# Altium PCB UM-64NNP-V1 rev 0.18.PcbDoc (part 1 of 5)
Units mil, origin at the board's own origin, x right, y up, seen from the top; angles counter-clockwise.
Board outline 3401.4 x 1878.03 mil, 6 copper layers (L1, L2, L3, L4, L5, L6), stack 20.4 mil thick; 336 components, 172 nets, 991 pads, 1862 vias.
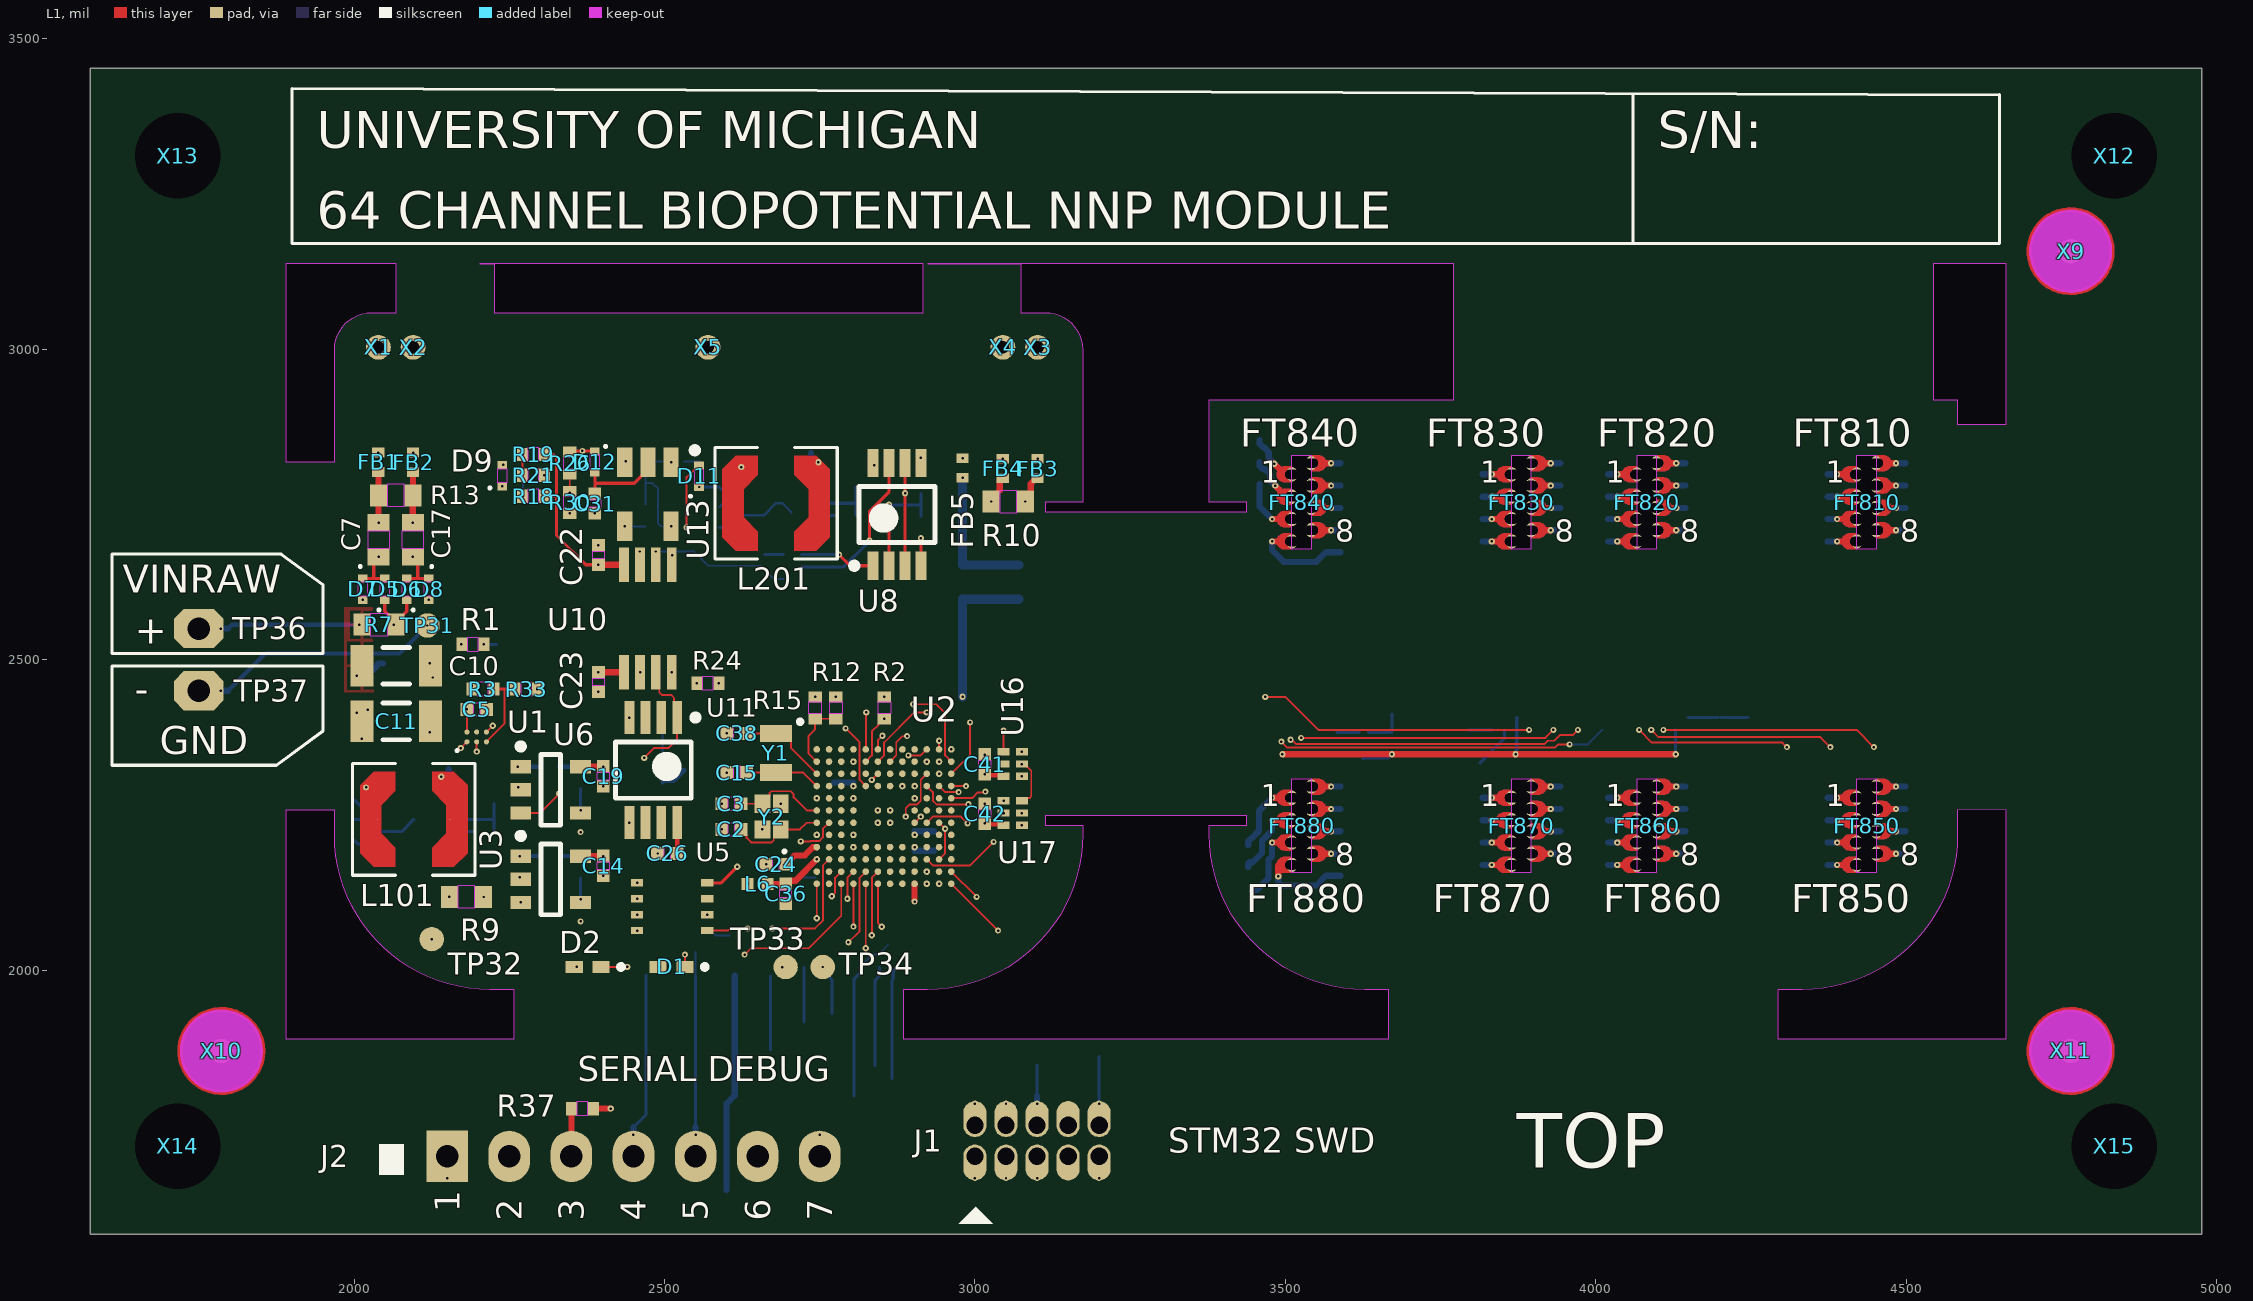
[diagram p0: L1 view]
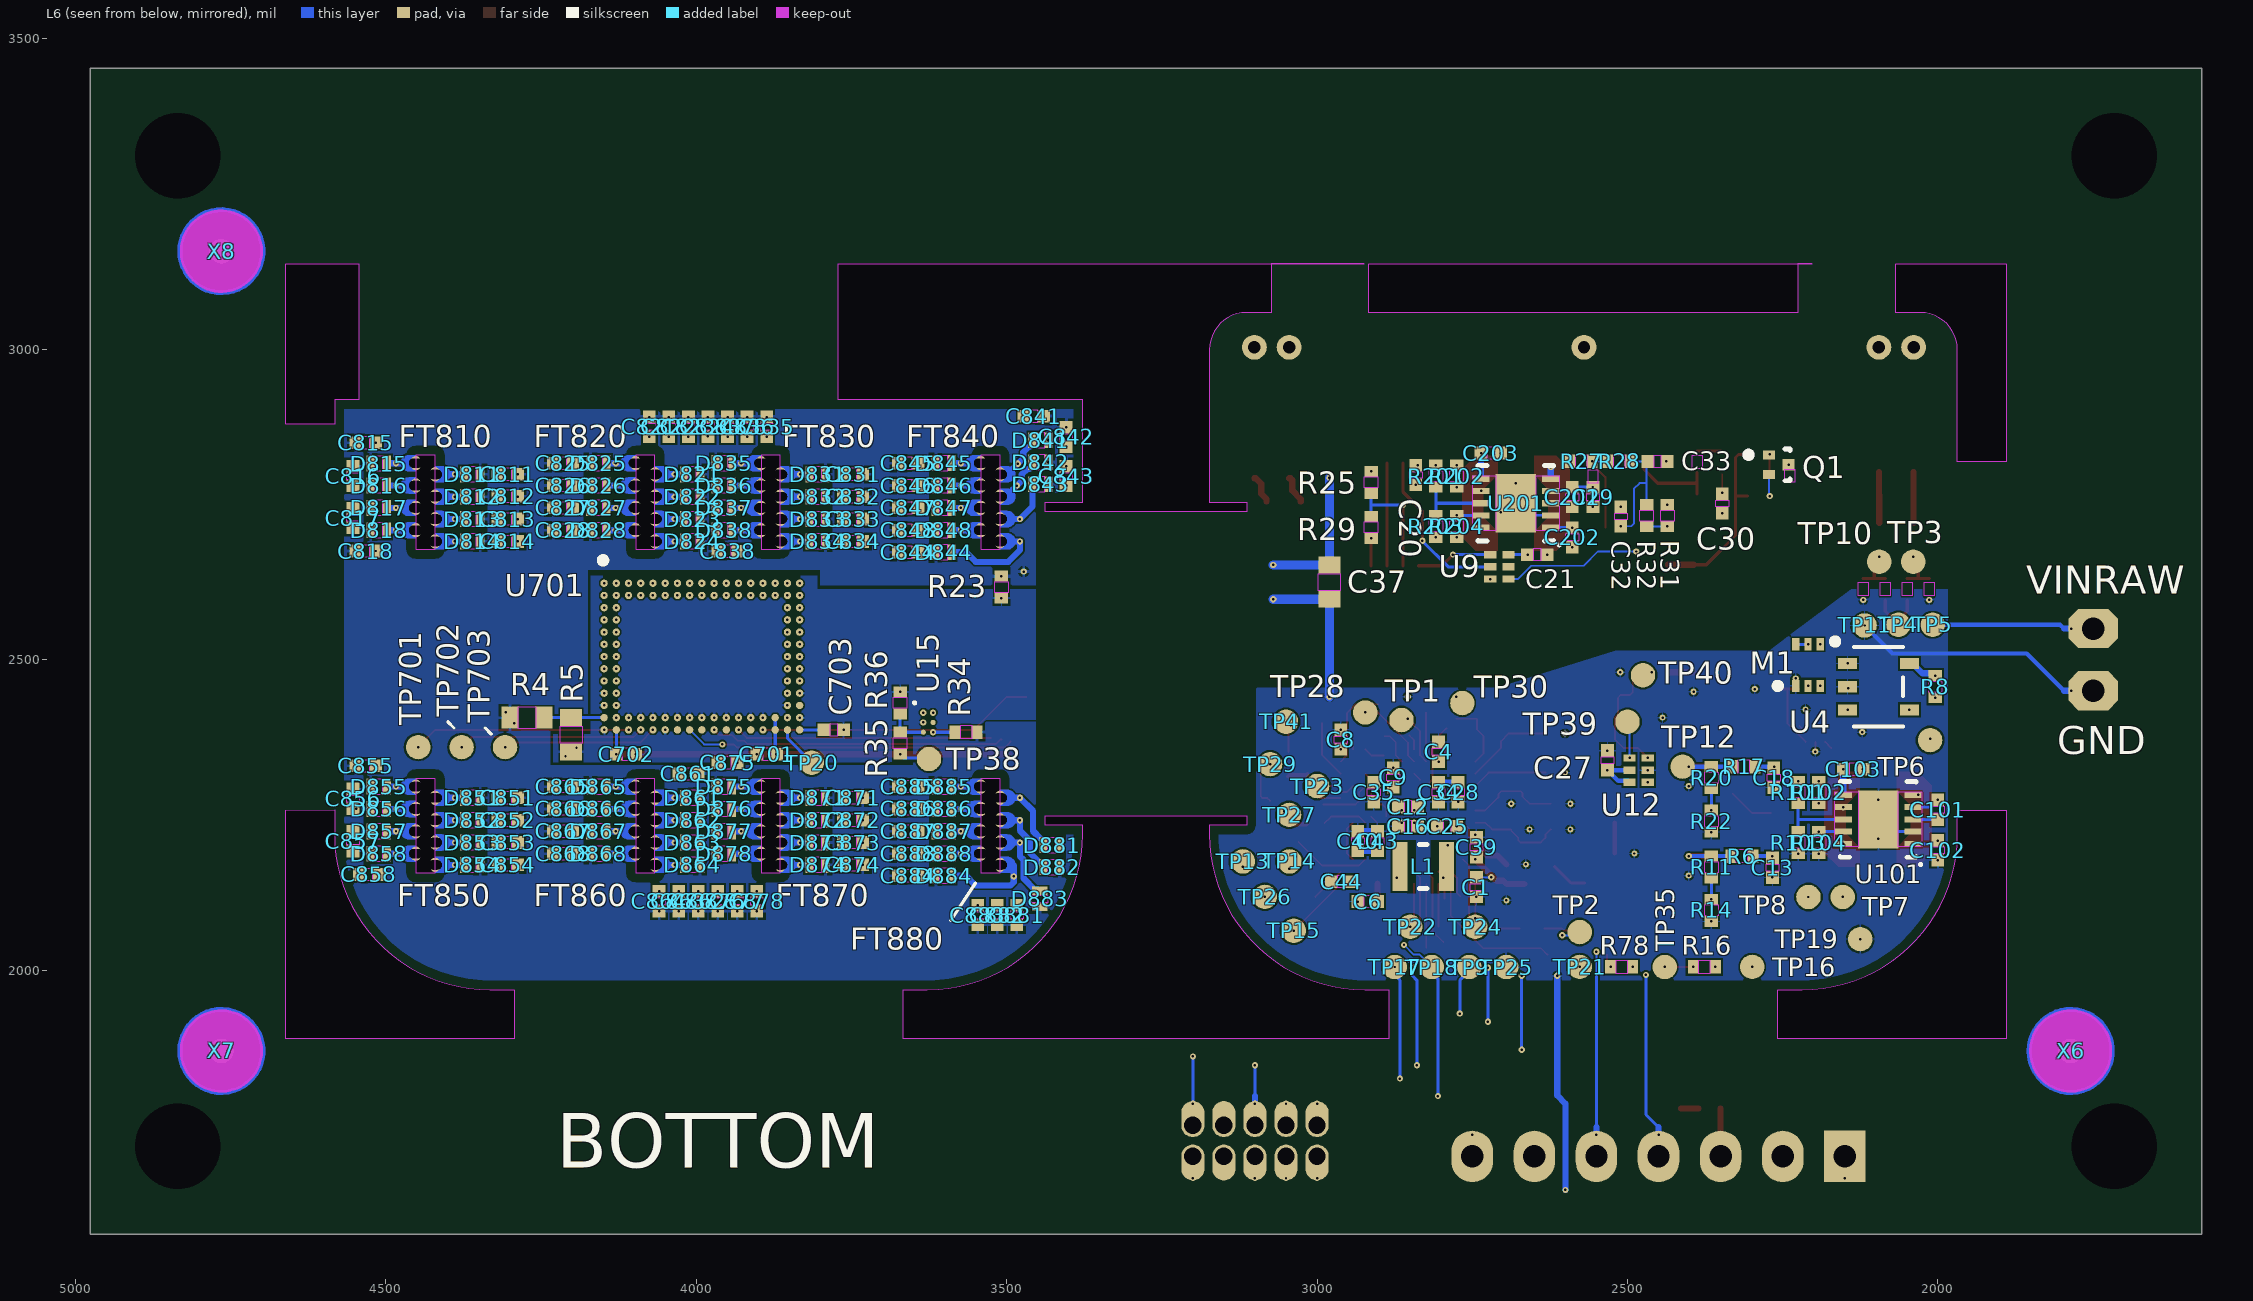
[diagram p1: L6 view, seen from below]
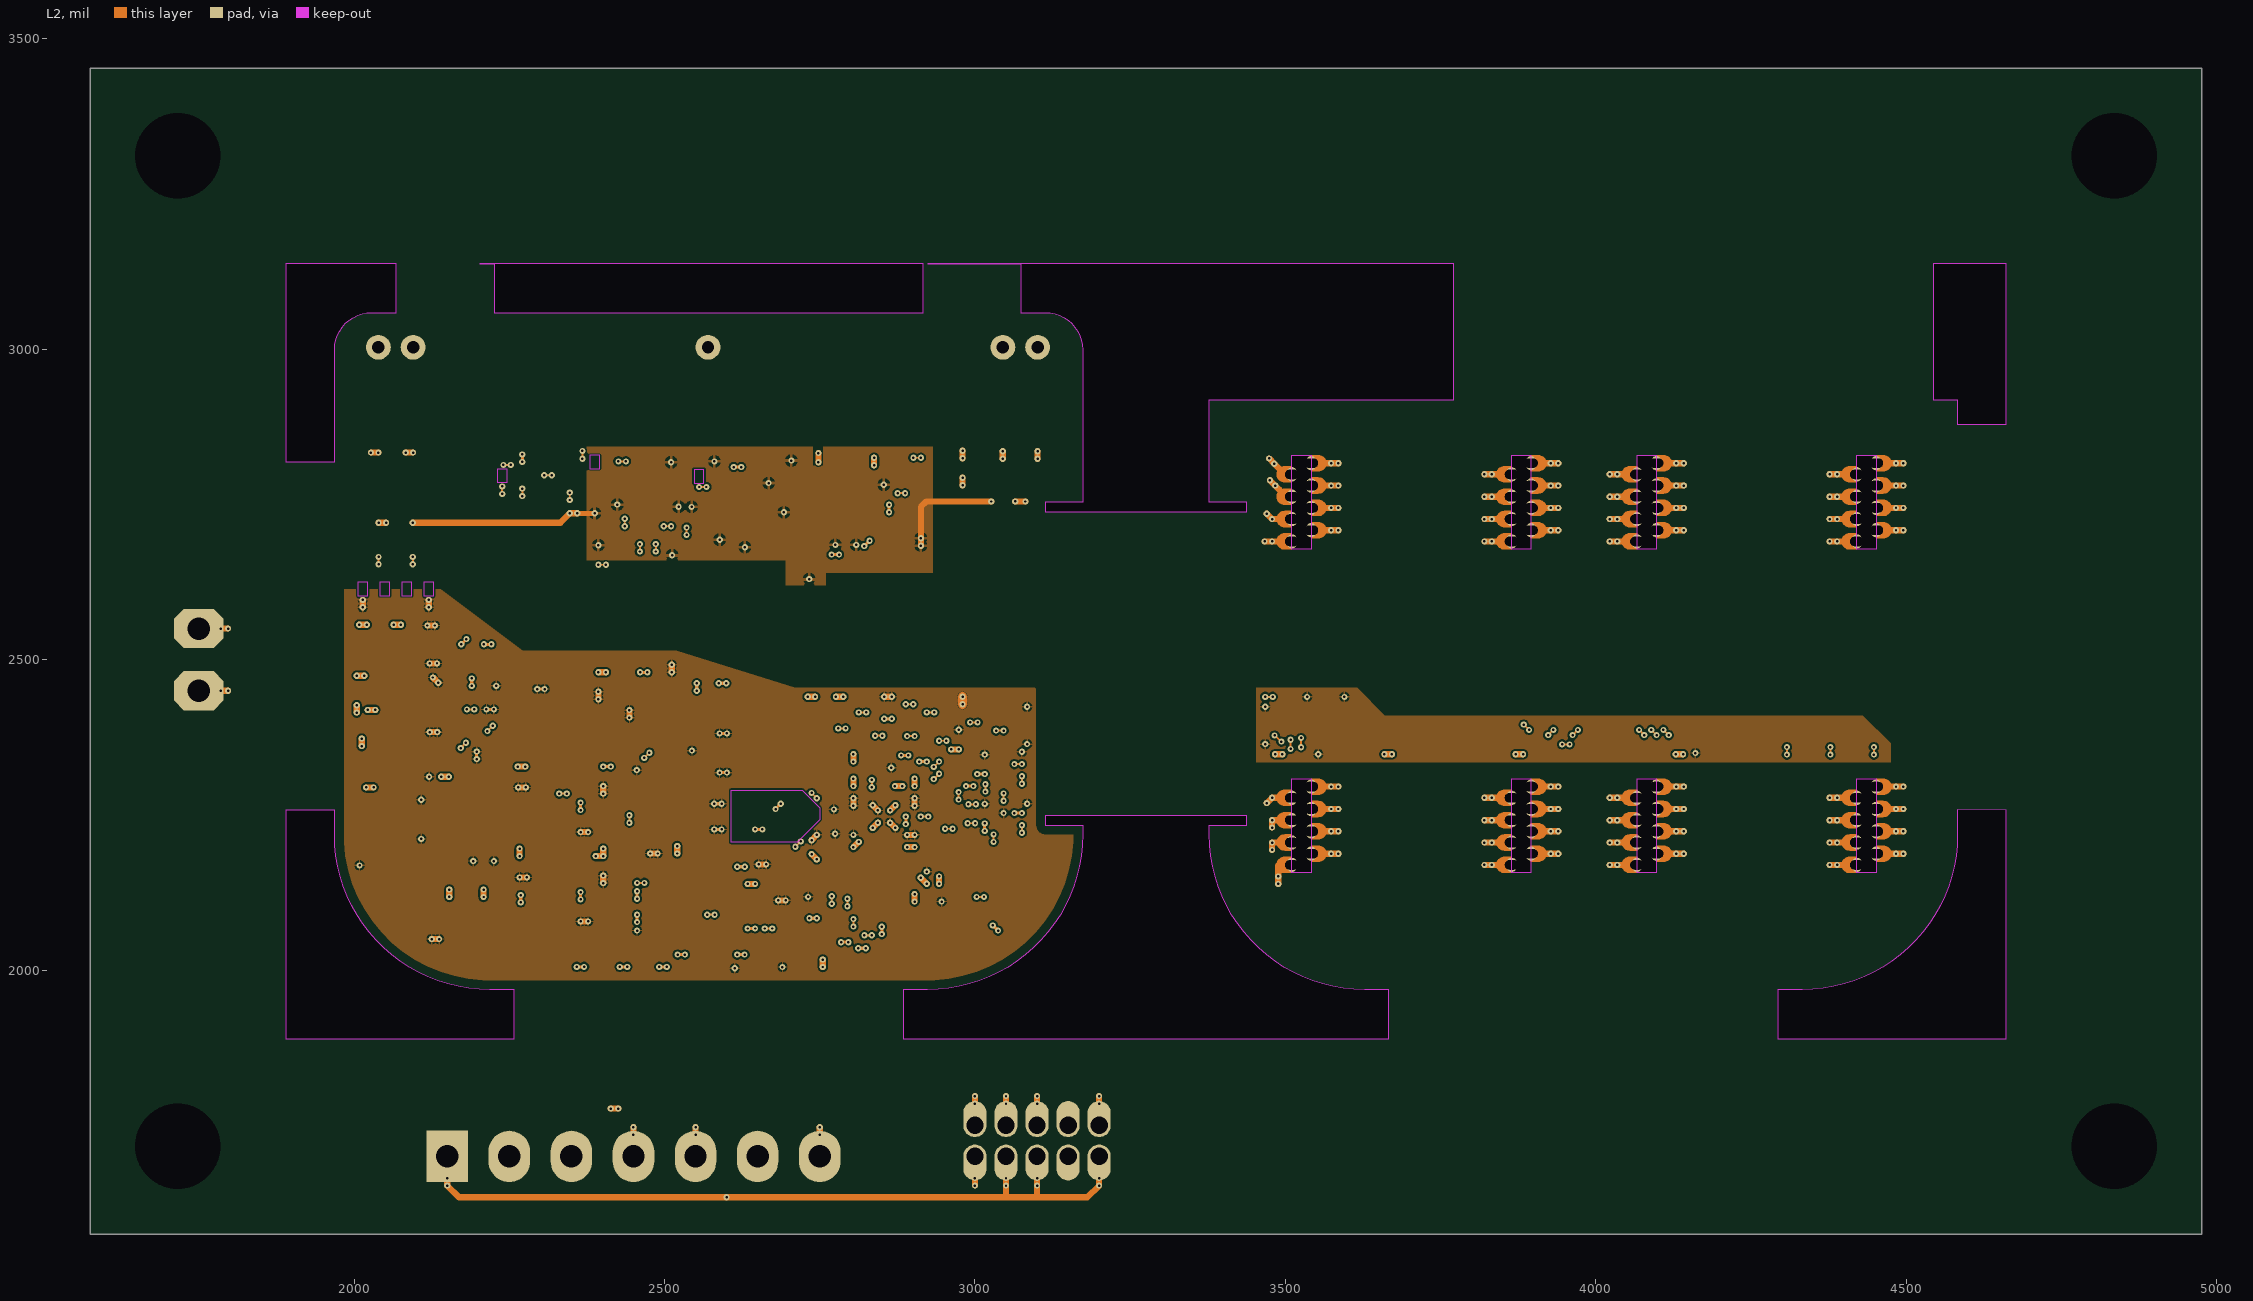
[diagram p2: L2]
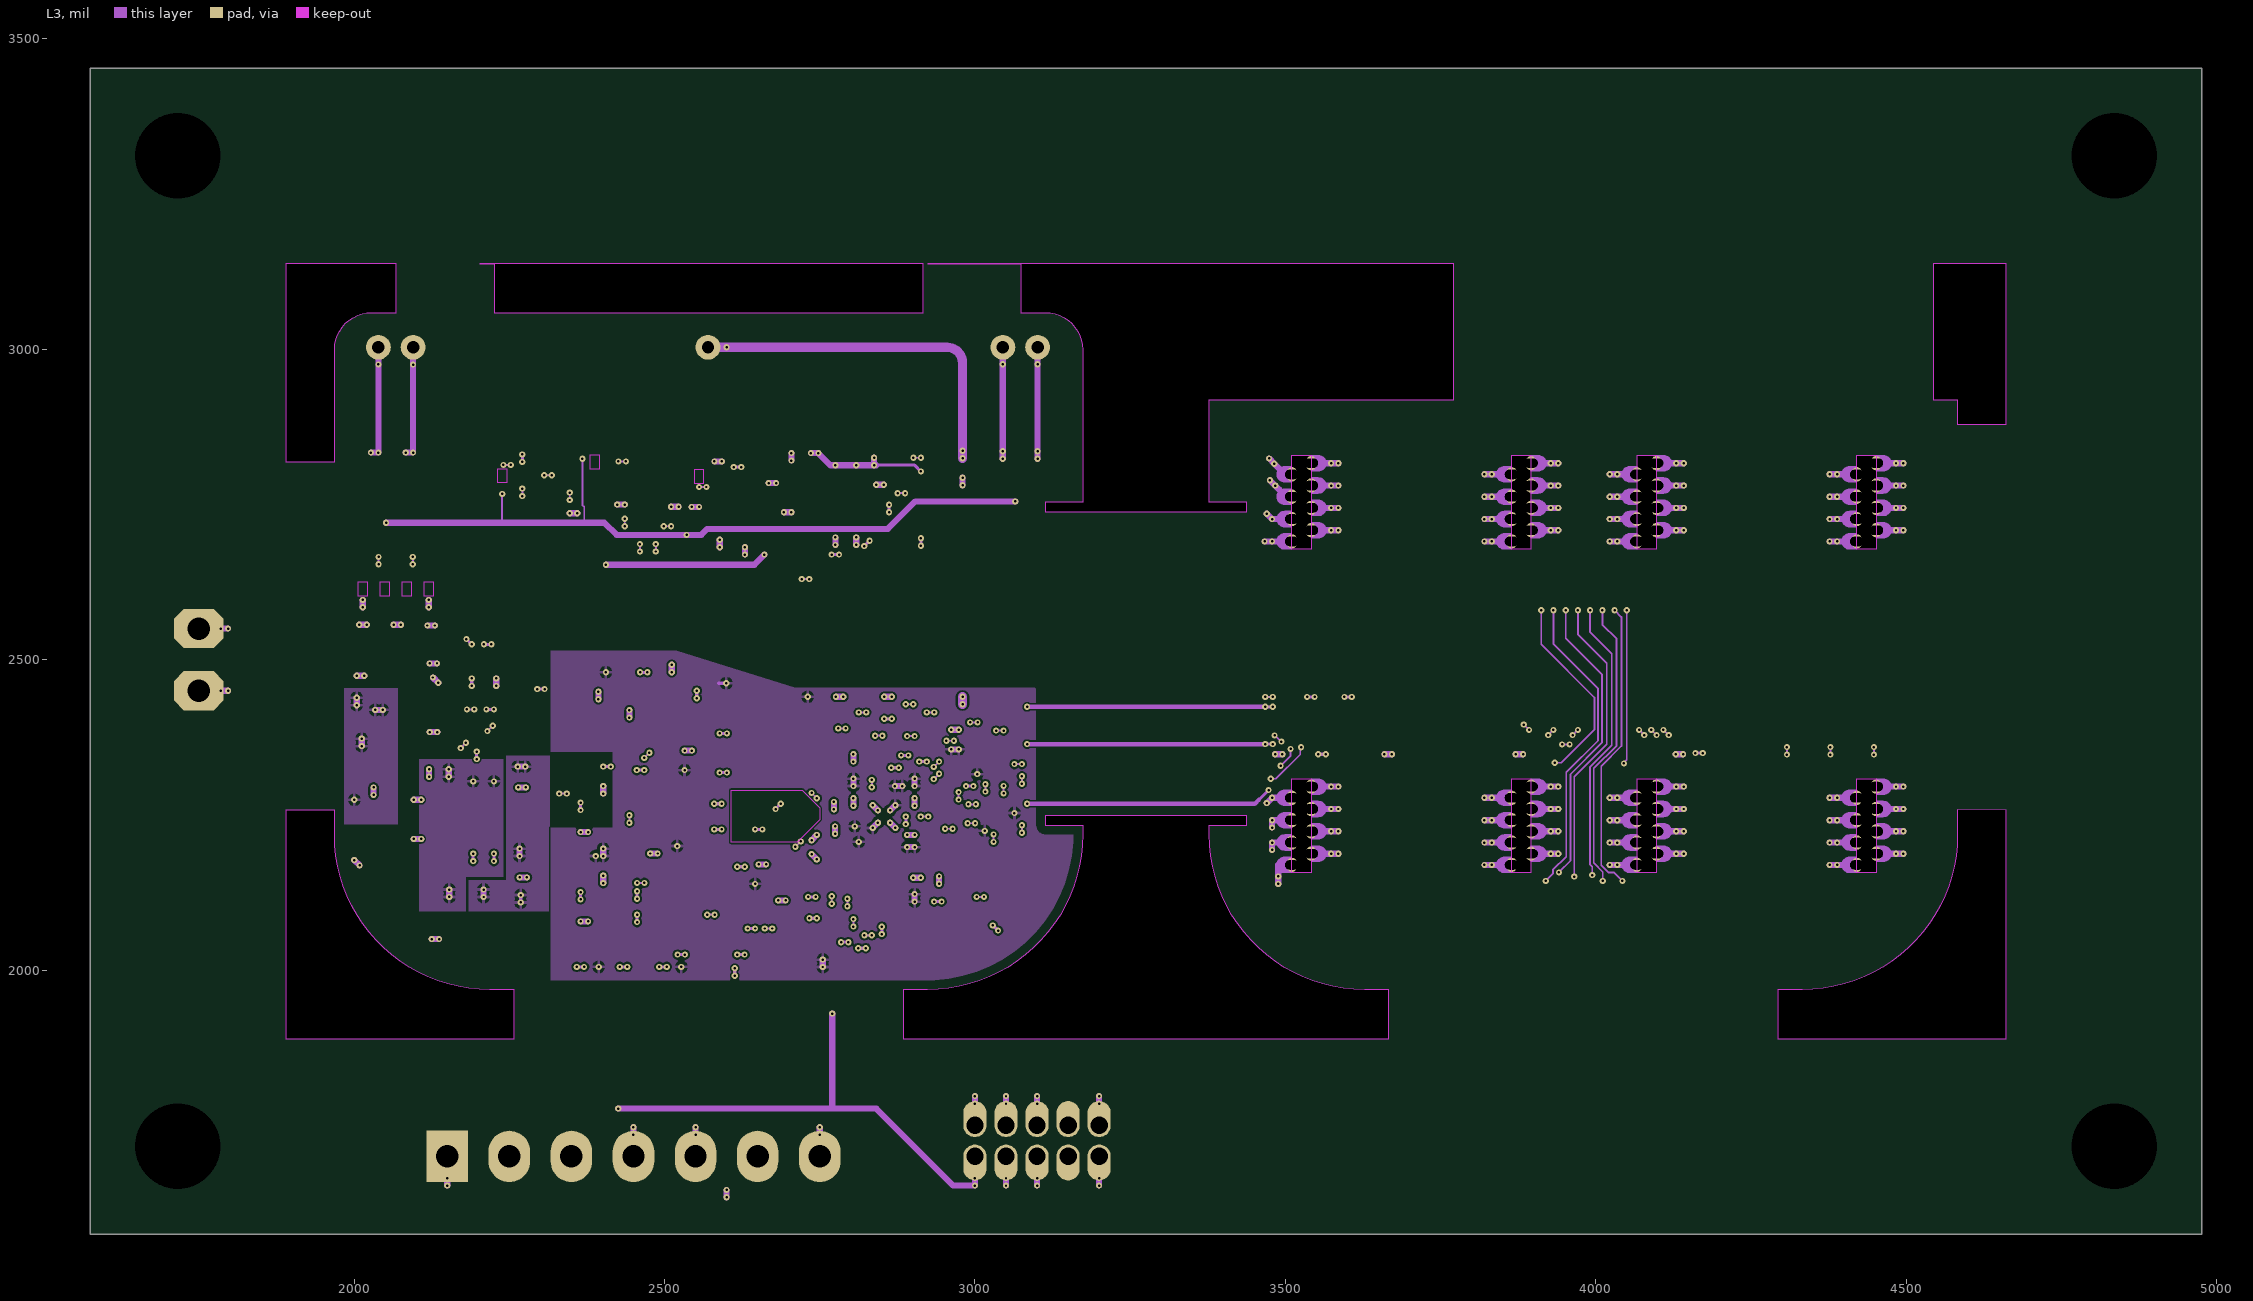
[diagram p3: L3]